# Altium PCB PCB3.PcbDoc (part 2 of 4)
Units mil, origin at the board's own origin, x right, y up, seen from the top; angles counter-clockwise.
Board outline 6377.95 x 6377.95 mil, 4 copper layers (Top Layer, GND Plane, Signal Layer 2, Bottom Layer), stack 63.902 mil thick; 583 components, 362 nets, 1734 pads, 554 vias.
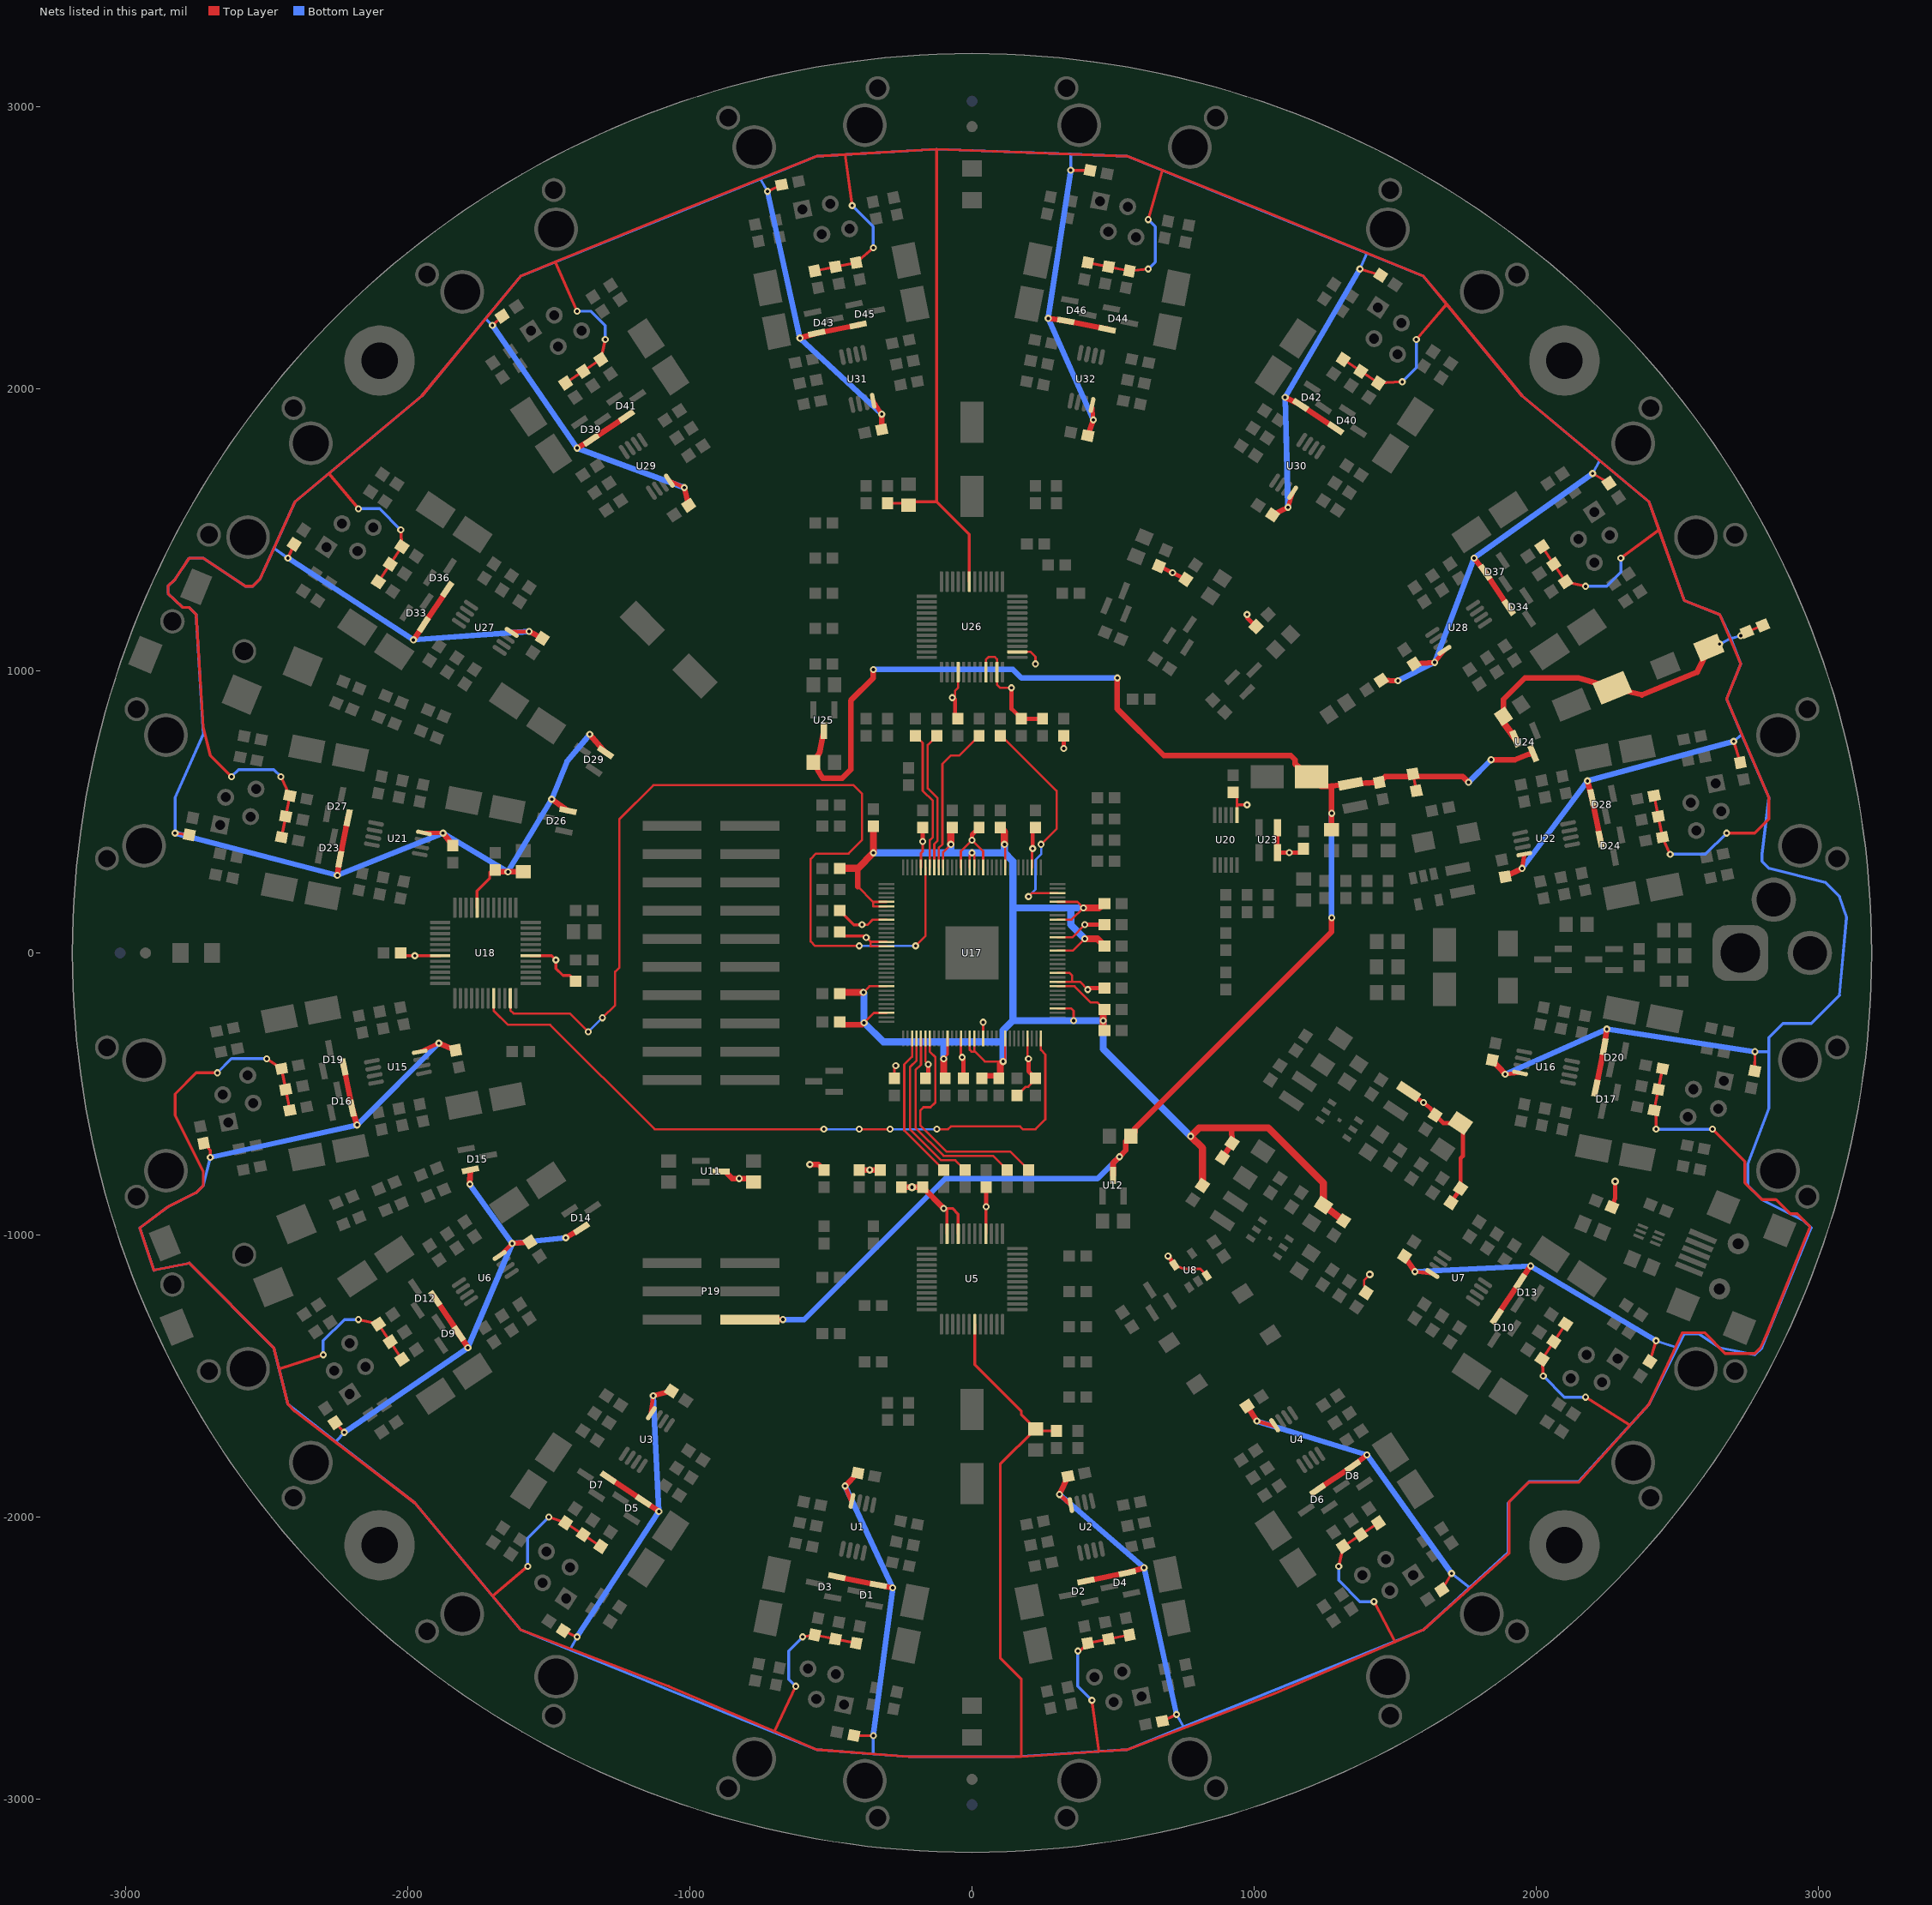
[diagram p4: the nets of this part, all layers, seen from the top]

## Components (designator, comment, footprint, x,y, rotation, side; value= is the part's Value field where it differs from the comment) (continued)
R178 "Resistor" 0603#1 -1711.22,1353.87 r56.25 top (schematic designator R26)
R179 "Resistor" 0603#1 775,1350 r236.25 top (schematic designator R6)
R180 "Resistor" 0603#1 1711.22,1353.87 r123.75 top (schematic designator R43)
R181 "Resistor" 0603#1 675,1400 r247.5 top (schematic designator R4)
R182 "Resistor" 0603#1 -1995.43,1423.51 r326.25 top (schematic designator R25)
R183 "Resistor" 0603#1 1995.43,1423.51 r33.75 top (schematic designator R31)
R184 "Resistor" 0603#1 -2385.98,1473.98 r236.25 top (schematic designator R32)
R185 "Resistor" 0603#1 -1270.54,1586.5 r213.75 top (schematic designator R34)
R186 "Resistor" 0603#1 1270.54,1586.5 r326.25 top (schematic designator R69)
R187 "Resistor" 0603#1 -2106.17,1617.77 r326.25 top (schematic designator R15)
R188 "Resistor" 0603#1 2108.46,1619.3 r213.75 top (schematic designator R71)
R189 "Resistor" 0603#1 2274.85,1640.27 r123.75 top (schematic designator R32)
R190 "Resistor" 0603#1 -2064.5,1680.13 r326.25 top (schematic designator R70)
R191 "Resistor" 0603#1 2066.79,1681.66 r213.75 top (schematic designator R42)
R192 "Resistor" 0603#1 -1353.87,1711.22 r213.75 top (schematic designator R43)
R193 "Resistor" 0603#1 1353.87,1711.22 r326.25 top (schematic designator R26)
R194 "Resistor" 0603#1 -979.52,1780.95 r33.75 top (schematic designator R69)
R195 "Resistor" 0603#1 979.52,1780.95 r146.25 top (schematic designator R34)
R196 "Resistor" 0603#1 -1062.86,1905.67 r33.75 top (schematic designator R26)
R197 "Resistor" 0603#1 1062.86,1905.67 r146.25 top (schematic designator R43)
R198 "Resistor" 0603#1 -566.7,1951.95 r191.25 top (schematic designator R34)
R199 "Resistor" 0603#1 566.7,1951.95 r348.75 top (schematic designator R69)
R200 "Resistor" 0603#1 -1423.51,1995.43 r123.75 top (schematic designator R31)
R201 "Resistor" 0603#1 1423.51,1995.43 r236.25 top (schematic designator R25)
R202 "Resistor" 0603#1 -223.42,2020.23 r11.25 top (schematic designator R69)
R203 "Resistor" 0603#1 223.42,2020.23 r168.75 top (schematic designator R34)
R204 "Resistor" 0603#1 -1681.66,2066.79 r303.75 top (schematic designator R42)
R205 "Resistor" 0603#1 1680.13,2064.5 r236.25 top (schematic designator R70)
R206 "Resistor" 0603#1 -1298.79,2078.77 r303.75 top (schematic designator R25)
R207 "Resistor" 0603#1 1298.79,2078.77 r56.25 top (schematic designator R31)
R208 "Resistor" 0603#1 -1619.3,2108.46 r303.75 top (schematic designator R71)
R209 "Resistor" 0603#1 1617.77,2106.17 r236.25 top (schematic designator R15)
R210 "Resistor" 0603#1 -595.96,2099.07 r191.25 top (schematic designator R43)
R211 "Resistor" 0603#1 595.96,2099.07 r348.75 top (schematic designator R26)
R212 "Resistor" 0603#1 -252.68,2167.35 r11.25 top (schematic designator R26)
R213 "Resistor" 0603#1 252.68,2167.35 r168.75 top (schematic designator R43)
R214 "Resistor" 0603#1 -1640.27,2274.85 r213.75 top (schematic designator R32)
R215 "Resistor" 0603#1 -1326.75,2300.62 r303.75 top (schematic designator R15)
R216 "Resistor" 0603#1 1328.28,2302.91 r236.25 top (schematic designator R71)
R217 "Resistor" 0603#1 -1264.39,2342.29 r303.75 top (schematic designator R70)
R218 "Resistor" 0603#1 1265.92,2344.58 r236.25 top (schematic designator R42)
R219 "Resistor" 0603#1 -551.53,2388.29 r101.25 top (schematic designator R31)
R220 "Resistor" 0603#1 551.53,2388.29 r258.75 top (schematic designator R25)
R221 "Resistor" 0603#1 1473.98,2385.98 r146.25 top (schematic designator R32)
R222 "Resistor" 0603#1 -404.41,2417.56 r281.25 top (schematic designator R25)
R223 "Resistor" 0603#1 404.41,2417.56 r78.75 top (schematic designator R31)
R224 "Resistor" 0603#1 -762.72,2553.01 r281.25 top (schematic designator R42)
R225 "Resistor" 0603#1 762.19,2550.31 r258.75 top (schematic designator R70)
R226 "Resistor" 0603#1 -689.16,2567.64 r281.25 top (schematic designator R71)
R227 "Resistor" 0603#1 688.63,2564.94 r258.75 top (schematic designator R15)
R228 "Resistor" 0603#1 -345.35,2633.22 r281.25 top (schematic designator R15)
R229 "Resistor" 0603#1 345.89,2635.92 r258.75 top (schematic designator R71)
R230 "Resistor" 0603#1 -271.79,2647.85 r281.25 top (schematic designator R70)
R231 "Resistor" 0603#1 272.33,2650.56 r258.75 top (schematic designator R42)
R232 "Resistor" 0603#1 -644.87,2729.39 r191.25 top (schematic designator R32)
R233 "Resistor" 0603#1 448.71,2768.41 r168.75 top (schematic designator R32)
R300 "Resistor" 0603#1 1260,-1150 r56.25 top
S1 "SCREW" SCREW_4_40 -2100,-2100 r78.75 top (schematic designator S4)
S2 "SCREW" SCREW_4_40 2100,-2100 r78.75 top (schematic designator S3)
S3 "SCREW" SCREW_4_40 -2100,2100 r11.25 top locked (schematic designator S5)
S4 "SCREW" SCREW_4_40 2100,2100 r78.75 top (schematic designator S2)
SW1 "Button" BUTTON_WS-TASV 878.36,-1368.07 r123.75 top (schematic designator SW3)
SW2 "Button" BUTTON_WS-TASV 878.36,-1368.07 r123.75 bottom
TP1 "TESTPOINT" 1206 0,-2725 r90 top (schematic designator TP17)
TP2 "TESTPOINT" 0603#1 550,-1300 r303.75 top (schematic designator TP13)
TP3 "TESTPOINT" 0603#1 -525,-1000 r270 top (schematic designator TP2)
TP4 "TESTPOINT" 0603#1 -350,-1000 r270 top (schematic designator TP1)
TP5 "TESTPOINT" 0603#1 1715,-860 r236.25 top (schematic designator TP9)
TP6 "TESTPOINT" 0603#1 905,-700 r56.25 top (schematic designator TP12)
TP7 "TESTPOINT" 0603#1 900,-100 r270 top (schematic designator TP4)
TP8 "TESTPOINT" 1206 -2750,0 r0 top
TP9 "TESTPOINT" 0603#1 475,325 r180 top (schematic designator TP6)
TP10 "TESTPOINT" 0603#1 475,550 r180 top (schematic designator TP5)
TP11 "TESTPOINT" 0603#1 1569.05,604.93 r281.25 top (schematic designator TP10)
TP12 "TESTPOINT" 0603#1 -375,800 r90 top (schematic designator TP7)
TP13 "TESTPOINT" 0603#1 -300,800 r90 top (schematic designator TP3)
TP14 "TESTPOINT" 0603#1 2775,1150 r22.5 top (schematic designator TP11)
TP15 "TESTPOINT" 1206 0,2725 r270 top (schematic designator TP16)
U1 "OPA_DUAL" SOP127P600-8N -404.81,-2035.13 r78.75 top (schematic designator U18)
U2 "OPA_DUAL" SOP127P600-8N 404.81,-2035.13 r101.25 top (schematic designator U18)
U3 "OPA_DUAL" SOP127P600-8N -1152.81,-1725.3 r56.25 top (schematic designator U18)
U4 "OPA_DUAL" SOP127P600-8N 1152.81,-1725.3 r123.75 top (schematic designator U18)
U5 "CS5368" LQFP_48L_CIRRUS 0,-1156.1 r90 top (schematic designator U14)
U6 "OPA_DUAL" SOP127P600-8N -1725.3,-1152.81 r33.75 top (schematic designator U18)
U7 "OPA_DUAL" SOP127P600-8N 1725.3,-1152.81 r146.25 top (schematic designator U18)
U8 "MIC2774N-29YM5-TR" SOT23_5 775,-1125 r123.75 top (schematic designator U10)
U9 "ST1S06PUR" DFN6_ST1S06 1056.14,-1012.19 r326.25 top (schematic designator U7)
U10 "USBLC6-2" USBLC6-2 2400,-1000 r337.5 top (schematic designator U12)
U11 "MCP1700" SOT23_132 -925,-775 r0 top (schematic designator U16)
U12 "MCP1700" SOT23_132 500,-825 r90 top (schematic designator U13)
U14 "ST1S06PUR" DFN6_ST1S06 1302.53,-593.28 r326.25 top (schematic designator U5)
U15 "OPA_DUAL" SOP127P600-8N -2035.13,-404.81 r11.25 top (schematic designator U18)
U16 "OPA_DUAL" SOP127P600-8N 2035.13,-404.81 r168.75 top (schematic designator U18)
U17 "Value" TQFP128_XMOS 0,0 r90 top (schematic designator U4)
U18 "CS4384" LQFP_48L_CIRRUS -1725,0 r90 top (schematic designator U17)
U19 "LM27313XMFX/NOPB" MF05A_N 1609.15,226.44 r281.25 top (schematic designator U6)
U20 "CS2100_CP" MSOP10 900,400 r270 top (schematic designator U2)
U21 "OPA_DUAL" SOP127P600-8N -2035.13,404.81 r348.75 top (schematic designator U18)
U22 "OPA_DUAL" SOP127P600-8N 2035.13,404.81 r191.25 top (schematic designator U18)
U23 "OSC_ASDMB" OSC_ADSMB 1050,400 r270 top (schematic designator U3)
U24 "MCP1700" SOT23_132 1975,740 r292.5 top (schematic designator U1)
U25 "MCP1700" SOT23_132 -525,825 r270 top (schematic designator U13)
U26 "CS5368" LQFP_48L_CIRRUS 0,1156.1 r270 top (schematic designator U14)
U27 "OPA_DUAL" SOP127P600-8N -1725.3,1152.81 r326.25 top (schematic designator U18)
U28 "OPA_DUAL" SOP127P600-8N 1725.3,1152.81 r213.75 top (schematic designator U18)
U29 "OPA_DUAL" SOP127P600-8N -1152.81,1725.3 r303.75 top (schematic designator U18)
U30 "OPA_DUAL" SOP127P600-8N 1152.81,1725.3 r236.25 top (schematic designator U18)
U31 "OPA_DUAL" SOP127P600-8N -404.81,2035.13 r281.25 top (schematic designator U18)
U32 "OPA_DUAL" SOP127P600-8N 404.81,2035.13 r258.75 top (schematic designator U18)

## Footprints (in the part's own frame and the unit in brackets; to place one, negate y for a bottom-side part, rotate by r counter-clockwise, add the part's x,y. Pads: shape width x height; smd on the part's side, far side on the other; paste and mask are expansions set on the pad)
0603#1 [mm] "Chip Resistor, 2-Leads, Body 1,5x0,8mm, IPC Medium Density"
  rect 1.05x1 smd: 1(-0.775,0) 2(0.775,0)
  silkscreen extent 0,-0.08 0,0.08, body extent -0.85,-0.48 0.85,0.48, height 0.55
0603#2 [mm] "Chip Resistor, 2-Leads, Body 1,5x0,8mm, IPC Medium Density"
  rect 1.05x1 smd mask+0.051: 1(-0.775,0)
  rect 1.05x1 smd: 2(0.775,0)
  silkscreen extent 0,-0.08 0,0.08, body extent -0.85,-0.48 0.85,0.47, height 0.55
0805 [mm] "Chip Resistor, 2-Leads, Body 2,0x1,3mm, IPC Medium Density"
  rect 1.2x1.35 smd: 1(-0.95,0) 2(0.95,0)
  silkscreen extent -0.15,-0.58 0.15,0.58, body extent -1.1,-0.67 1.1,0.67, height 0.65
0805_LED [mm] "Chip Resistor, 2-Leads, Body 2,0x1,3mm, IPC Medium Density"
  rect 1.2x1.35 smd: A(0.95,0) K(-0.95,0)
  silkscreen extent -0.15,-0.58 0.15,0.58, body extent -1.1,-0.67 1.1,0.67, height 0.65
1206 [mm] "Chip Resistor, 2-Leads, Body 3,2x1,6mm, IPC Medium Density"
  rect 1.45x1.8 smd: 1(-1.425,0) 2(1.425,0)
  silkscreen extent -0.3,-0.8 0.3,0.8, body extent -1.73,-0.88 1.72,0.88, height 0.7
BUTTON_WS-TASV [mm] "430152130836"
  rect 1.3x1.55 smd mask+0.12: 1(2.25,3.975) 2(-2.25,3.975) 3(2.25,-3.975) 4(-2.25,-3.975)
  silkscreen extent -3,-3 3,3, body extent -3.1,-4.5 3.1,4.5, height 5
CAP_RAD_SMD_DIA157 [mm] "Aluminum Electrolytic Capacitor, D55 size code (UCC)"
  rect 3x2.1 smd: +(-2,0) -(2,0)
  silkscreen extent -2.15,-2.15 2.15,2.15, body extent -2.13,-2.15 2.15,2.15, height 5.2
CAP_RAD_SMD_DIA315 [mm] "Aluminum Electrolytic Capacitor, 8mm diameter"
  rect 3.7x2.1 smd: +(-3.35,0) -(3.35,0)
  silkscreen extent -4.15,-4.15 4.15,4.15, body extent -3.97,-3.99 4,3.99, height 6
CONN4_5555140-2 [mil] "5555140-2 (shielded) ou 5555165-2 (unshielded)"
  rect 60x60 hole 35.04 mask+4.72: 1(-75,250)
  round 60 hole 35.04 mask+4.72: 2(-25,350) 3(25,250) 4(75,350)
  round 85 hole 61.81 mask+4.72: M(-270.08,-120.08) M(270.08,-120.08)
  round 155 hole 127.95 mask+4.72: M(-200,0) M(200,0)
  silkscreen extent -250,-210 250,411, body extent -309,-320 311,409, height 537
CONN6_100mils_pol_SMD [mm] "CNC Tech 3020-06-0300-00"
  rect 0.89x5.308 smd mask+0.12: 1(-2.54,-3.504) 2(-2.54,3.504) 3(0,-3.504) 4(0,3.504) 5(2.54,-3.504) 6(2.54,3.504)
  silkscreen extent -7.62,-5.64 7.62,5.1, body extent -7.62,-5.1 7.62,5.1, height 9
CONN20_100mils_pol_SMD [mm] "CNC Tech 3020-20-0300-00"
  rect 0.89x5.308 smd mask+0.12: 1(-11.43,-3.504) 2(-11.43,3.504) 3(-8.89,-3.504) 4(-8.89,3.504) 5(-6.35,-3.504) 6(-6.35,3.504) 7(-3.81,-3.504) 8(-3.81,3.504) 9(-1.27,-3.504) 10(-1.27,3.504) 11(1.27,-3.504) 12(1.27,3.504) 13(3.81,-3.504) 14(3.81,3.504) 15(6.35,-3.504) 16(6.35,3.504) 17(8.89,-3.504) 18(8.89,3.504) 19(11.43,-3.504) 20(11.43,3.504)
  silkscreen extent -16.51,-5.61 16.51,5.1, body extent -16.51,-5.1 16.51,5.1, height 9
CONN_2.5mmID5.5mmOD_RAPC712X [mm] "Right-angle, through-hole power connector"
  rrect50% 5x5 hole 3.56 mask+0.12: 1(0,6.25)
  round 4 hole 3.05 mask+0.12: 2(0,0) 3(4.8,3.25)
  silkscreen extent -4.5,-7.49 4.5,7.01, body extent -7.6,-7.53 7.42,9.53, height 10.85
"CONN_3.5mm_CUI 3523-SMT" [mm] "Right-angle, surface-mounted 3.5mm connector TRRS"
  rect 2.2x2.8 smd mask+0.12: 1(3.4,-3.7)
  rect 2.8x2.8 smd mask+0.12: 2(12.8,-3.7) 4(16.9,0.75)
  rect 2x2.8 smd mask+0.12: 3(5.3,3.7)
  rrect100% 2.2x2.2 hole 1.65 mask+0.02: ""(4.5,0)
  rrect100% 2.159x2.159 hole 1.65 mask+0.02: ""(11.5,0)
  silkscreen extent -1.5,-3.35 15.5,3.35, body extent -1.5,-4.5 15.5,4.5, height 5
CONN_USB_MINIB_690-005-299-043 [mm] "Connector; USB Mini-B, SM; 5 Position; Right Angle"
  rect 2.6x0.5 smd mask+0.076: 1(-3.1,-1.6) 2(-3.1,-0.8) 3(-3.1,0) 4(-3.1,0.8) 5(-3.1,1.6)
  rect 2.3x2.4 smd: MH1(-2.4,-4.75) MH2(3.1,-4.75) MH3(3.1,4.75) MH4(-2.4,4.75)
  round 1.905 hole 1: ""(0.1,2.2) ""(0.1,-2.2)
  silkscreen extent -4.17,-2.43 -3.92,-2.18, body extent -3.33,-5.12 5.97,5.13, height 4.24
DFN6_ST1S06 [mm]
  rect 0.8x0.45 smd: 1(-1.45,0.95) 2(-1.45,0) 3(-1.45,-0.95) 4(1.45,-0.95) 5(1.45,0) 6(1.45,0.95)
  rect 0.35x0.35 smd: PAD(0,0)
  Top Layer region: -0.75,1 -0.5,1.25 0.75,1.25 0.75,-1.25 -0.75,-1.25
  silkscreen extent -2.47,-1.5 0.65,1.5, body extent -1.5,-1.5 1.5,1.5, height 0.9
DIODE_DO-214AC/SMA [mm] "Molded Diode, 2-Leads, Body 4,25x2,67mm, IPC Low Density"
  rect 2.3x1.8 smd: A(2.125,0) K(-2.125,0)
  silkscreen extent -3.05,-1.4 2.25,1.78, body extent -2.25,-1.39 2.25,1.4, height 2.29
DIODE_SMA [mil] "SMA"
  rect 74x66 smd: A(81,0) K(-81,0)
  silkscreen extent -117,-56 89,57, body extent -89,-56 89,56, height 98
FIDUCIAL [mm]
  rrect100% 1x1 smd mask+1: 0(0,0)
IND_252012CDMC/DS [mm]
  rect 0.9x2.2 smd: 1(-1.05,0) 2(1.05,0)
  silkscreen extent -0.05,-1 0.05,1, body extent -1.25,-1 1.25,1, height 1.2
LQFP_48L_CIRRUS [mm]
  rrect50% 1.85x0.3 smd mask+0.06: 1(-4.075,2.75) 2(-4.075,2.25) 3(-4.075,1.75) 4(-4.075,1.25) 5(-4.075,0.75) 6(-4.075,0.25) 7(-4.075,-0.25) 8(-4.075,-0.75) 9(-4.075,-1.25) 10(-4.075,-1.75) 11(-4.075,-2.25) 12(-4.075,-2.75) 25(4.075,-2.75) 26(4.075,-2.25) 27(4.075,-1.75) 28(4.075,-1.25) 29(4.075,-0.75) 30(4.075,-0.25) 31(4.075,0.25) 32(4.075,0.75) 33(4.075,1.25) 34(4.075,1.75) 35(4.075,2.25) 36(4.075,2.75)
  rrect50% 0.3x1.85 smd mask+0.06: 13(-2.75,-4.075) 14(-2.25,-4.075) 15(-1.75,-4.075) 16(-1.25,-4.075) 17(-0.75,-4.075) 18(-0.25,-4.075) 19(0.25,-4.075) 20(0.75,-4.075) 21(1.25,-4.075) 22(1.75,-4.075) 23(2.25,-4.075) 24(2.75,-4.075) 37(2.75,4.075) 38(2.25,4.075) 39(1.75,4.075) 40(1.25,4.075) 41(0.75,4.075) 42(0.25,4.075) 43(-0.25,4.075) 44(-0.75,4.075) 45(-1.25,4.075) 46(-1.75,4.075) 47(-2.25,4.075) 48(-2.75,4.075)
  silkscreen extent -4.81,-2.75 2.75,3.45, body extent -4.5,-4.5 4.5,4.5, height 1.6
MF05A_N [mm] "SOT23, 5-Leads, Body 2.9x1.6mm, Pitch 0.95mm, Lead Span 2.8mm, IPC Medium Density"
  rect 1.1x0.65 smd: 1(-1.2,0.95) 2(-1.2,0) 3(-1.2,-0.95) 4(1.2,-0.95) 5(1.2,0.95)
  silkscreen extent -1.32,-1.5 0.25,1.95, body extent -0.84,-1.49 0.83,1.49, height 1.19
MSOP10 [mm]
  rect 1.4x0.3 smd mask+0.04: 1(-2.25,1) 2(-2.25,0.5) 3(-2.25,0) 4(-2.25,-0.5) 5(-2.25,-1) 6(2.25,-1) 7(2.25,-0.5) 8(2.25,0) 9(2.25,0.5) 10(2.25,1)
  silkscreen extent -2.82,-1.6 1.2,1.83, body extent -2.4,-1.5 2.4,1.5, height 1.1